# Altium PCB system.PcbDoc (continued)
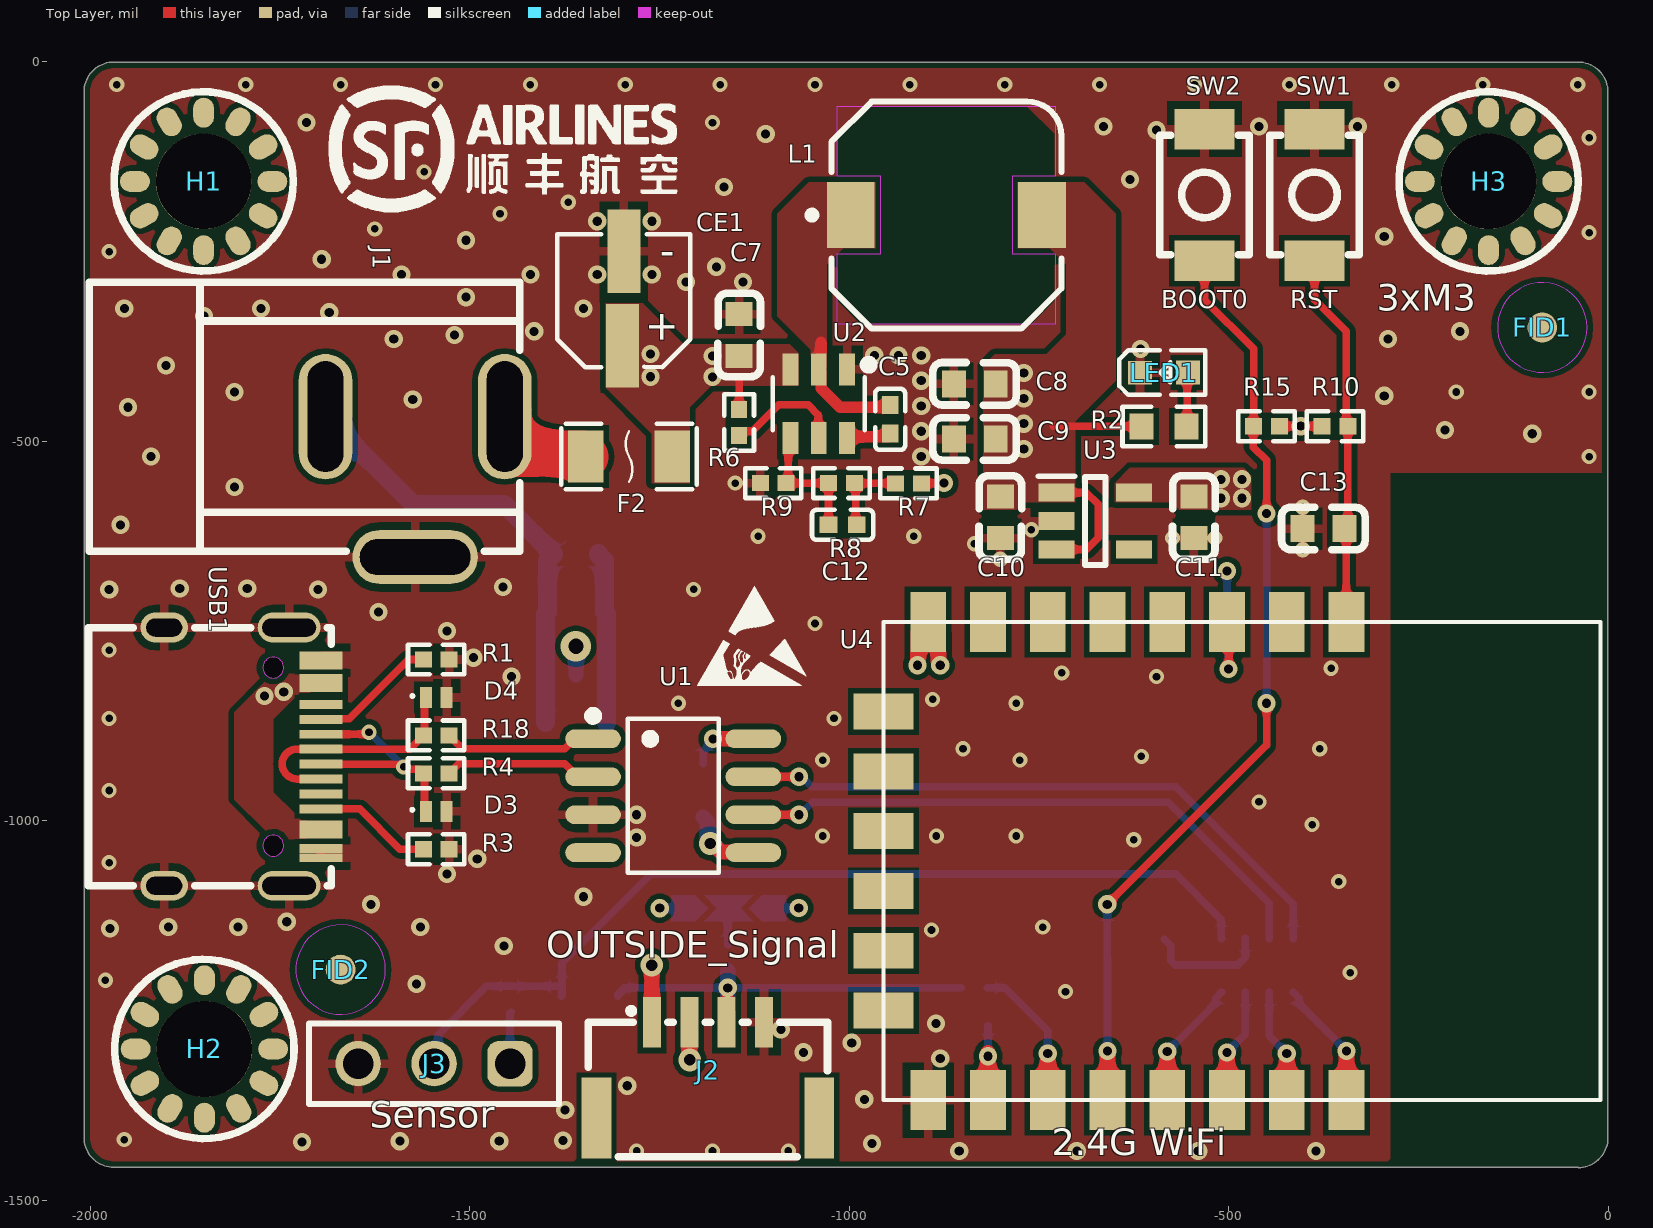
[diagram p0: Top Layer view]
## Components (designator, comment, footprint, x,y, rotation, side; value= is the part's Value field where it differs from the comment)
C1 "100nF ±5%_X7R" C0603 -1220,-925 r0 bottom
C2 "100nF ±5%_X7R" C0603 -1220,-995 r0 bottom
C3 "100nF ±5%_X7R" C0603 -1219.56,-359.9 r270 bottom
C4 "10uF ±5%_X7R" C0603 -1296.83,-359.9 r270 bottom
C5 "100nF ±5%_X7R" C0402 -945.95,-452.26 r270 top
C6 "10uF ±5%_X7R" C0603 -1142.28,-359.9 r270 bottom
C7 "100nF ±5%_X7R" C0603 -1145,-360 r270 top
C8 "22uF ±5%_X7R" C0603 -834.39,-424.3 r0 top
C9 "22uF ±5%_X7R" C0603 -834.39,-496.9 r0 top
C10 "10uF ±5%_X7R" C0603 -800.75,-600 r90 top
C11 "10uF ±5%_X7R" C0603 -545.75,-600 r90 top
C12 "75pF ±5%_X7R" C0402 -1027.4,-610 r0 top
C13 "100nF ±5%_X7R" C0603 -375,-615 r0 top
C14 "10uF ±5%_X7R" C0603 -845,-820 r90 bottom
C15 "100nF ±5%_X7R" C0603 -945,-820 r90 bottom
CE1 "100uF / 16V" CAP-SMD -1296.83,-314.9 r90 top
D1 "SMAJ6.0A" SMA_L4.4-W2.6-LS5.0-RD -1885,-910 r90 bottom
D2 "SMAJ5.0CA-13-F" SMA_L4.4-W2.6-LS5.0-BI -787.2,-520.4 r90 bottom
D3 "PESD5V0F1BL,315" PESD5V0S1BL315 -1544.04,-987.42 r0 top
D4 "PESD5V0F1BL,315" PESD5V0S1BL315 -1544.04,-837.42 r0 top
F1 "BSMD0805-050-6V" F0805 -1765,-920 r270 bottom
F2 "16V/1A" F1206 -1290,-520 r0 top
FID1 "MARK Point" FIDUCIAL -86.83,-349.9 r90 top
FID2 "MARK Point" FIDUCIAL -1670,-1196 r90 top
H1 "M3" M3_PTH -1850.52,-157.48 r0 top
H2 "M3" M3_PTH -1849.52,-1300.52 r0 top
H3 "M3" M3_PTH -157.48,-157.48 r0 top
J1 "DC-005-2.5A" CONN-TH_DC-005-2.5A-2.0 -1571.83,-559.9 r0 top
J2 "GH1.25-4P" GH1.25-4P -1187.2,-1340.4 r0 top
J3 "61300311821" 61300311821 -1546.83,-1319.9 r180 top
L1 "10uH, 2.6A" WE-PD_7345P -871.83,-201.9 r90 top
LED1 "LED" LED0603-RD -585.28,-409.51 r0 top
Q1 "SSM3J328R-LF" SOT-23-3_L2.9-W1.4-P1.91-LS2.6-BR -1360,-918 r90 bottom
Q2 "SSM3J328R-LF" SOT-23-3_L2.9-W1.4-P1.91-LS2.6-BR -1360,-763 r90 bottom
R1 "5.1kΩ ±1% 100mW" R0402 -1544.04,-787.42 r180 top
R2 "4.7kΩ ±1% 100mW" R0603 -585.29,-480.26 r0 top
R3 "5.1kΩ ±1% 100mW" R0402 -1544.04,-1037.42 r0 top
R4 "22Ω ±1% 62.5mW" R0402 -1544.04,-937.42 r0 top
R5 "10kΩ ±1% 100mW" R0603 -1360,-648 r0 bottom
R6 "NC" R0402 -1145,-475 r90 top
R7 "49.9Ω ±1% 100mW" R0402 -921.86,-555.4 r0 top
R8 "100kΩ ±1% 100mW" R0402 -1010,-555 r0 top
R9 "13.3kΩ ±1% 100mW" R0402 -1100,-555 r0 top
R10 "10kΩ ±1% 100mW" R0402 -360,-480 r180 top
R11 "10kΩ ±1% 100mW" R0402 -502.13,-738 r270 bottom
R12 "22Ω ±1% 100mW" R0402 -835,-1220 r180 bottom
R13 "10kΩ ±1% 100mW" R0402 -835,-1270 r180 bottom
R14 "10kΩ ±1% 100mW" R0402 -1447.06,-1234.61 r270 bottom
R15 "10kΩ ±1% 100mW" R0402 -450,-480 r0 top
R16 "NC" R0402 -1160,-1180 r90 bottom
R17 "NC" R0402 -1160,-1265.4 r90 bottom
R18 "22Ω ±1% 62.5mW" R0402 -1544.04,-887.42 r0 top
RP1 "22Ω ±1% 100mW" RES-ARRAY-SMD_0603-8P-L3.2-W1.6-BL -462.2,-1190.4 r0 bottom value=30Ω
SB1 "SHORT_3" SHORT_3_180DEG -1129.14,-1115.23 r180 bottom
SW1 "TS-1185-B-A-B-A" SW-SMD_L4.0-W3.0-LS5.0 -386.83,-175.28 r270 top
SW2 "TS-1185-B-A-B-A" SW-SMD_L4.0-W3.0-LS5.0 -531.83,-175.28 r270 top
TVS2 "TPPESD5V2S2UT" SOT-23-3_L2.9-W1.3-P1.90-LS2.4-BR -1342.2,-1270.4 r90 bottom
TVS3 "TPPESD5V2S2UT" SOT-23-3_L2.9-W1.3-P1.90-LS2.4-BR -622.2,-1195.4 r90 bottom
U1 "CH340N" SOP-8_L4.9-W3.9-P1.27-LS6.0-BL -1231.83,-966.9 r270 top
U2 "TPS54302DDCR" SOT-23-6_L2.9-W1.6-P0.95-LS2.8-BL -1040.05,-450.3 r180 top
U3 "ME6211C33M5G" SOT95P282X145-5N -675.75,-605 r0 top
U4 "ESP-12E&F" ESP-12E -954.88,-738 r270 top
USB1 "USB-C 16P" USB-C-16P -1802.2,-915.4 r270 top

## Footprints (in the part's own frame and the unit in brackets; to place one, negate y for a bottom-side part, rotate by r counter-clockwise, add the part's x,y. Pads: shape width x height; smd on the part's side, far side on the other; paste and mask are expansions set on the pad)
61300311821 [mm] "Socket Header, Pitch 2.54 mm, THT, Vertical, single row, 3p"
  rrect50% 1.52x1.52 hole 1.02: 1(-2.54,0)
  round 1.52 hole 1.02: 2(0,0) 3(2.54,0)
  silkscreen extent -4.19,-1.35 4.19,1.35, body extent -4.06,-1.25 4.06,1.25, height 8.55
C0402 [mm]
  rect 0.6x0.55 smd paste-100 mask+0.051: 1(0,0) 2(0.95,0)
  silkscreen extent -0.55,-0.5 1.5,0.5, body extent -0.02,-0.25 0.98,0.25, height 0.5
C0603 [mm]
  rect 0.8x0.9 smd mask+0.051: 1(-0.7,0) 2(0.7,0)
  silkscreen extent -1.41,-0.71 1.39,0.72, body extent -0.8,-0.4 0.8,0.4, height 0.8
CAP-SMD [mm] "BD4.0-L4.3-W4.3-FD-LS5.3"
  rect 2.8x1.1 smd mask+0.051: 1(-1.499,0.051) 2(1.661,0)
  silkscreen extent -2.22,-2.23 2.24,2.23, body extent -2.65,-2.16 2.65,2.14, height 5.42
CONN-TH_DC-005-2.5A-2.0 [mm]
  oval 1.8x4.2 hole 1.2 slot 3.7 at 90 deg: 1(3,2.35) 2(-3,2.35)
  oval 4.2x1.8 hole 1.2 slot 3.7 at 0 deg: 3(0,-2.35)
  silkscreen extent -10.9,-2.15 3.5,6.85, body extent -10.67,-2.49 3.38,6.81, height 11
ESP-12E [mm]
  rect 2x1.2 smd: 1(0,15.5) 2(0,13.5) 3(0,11.5) 4(0,9.5) 5(0,7.5) 6(0,5.5) 7(0,3.5) 8(0,1.5) 15(16,1.5) 16(16,3.5) 17(16,5.5) 18(16,7.5) 19(16,9.5) 20(16,11.5) 21(16,13.5) 22(16,15.5)
  rect 1.2x2 smd: 9(3,0) 10(5,0) 11(7,0) 12(9,0) 13(11,0) 14(13,0)
  silkscreen extent 0,0 16,24, body extent 0,0 16,24, height 3.17
F0805 [mm]
  rect 1.335x1.5 smd paste-100 mask+0.051: 1(-1.142,0) 2(1.142,0)
  silkscreen extent -2.16,-1.02 2.16,1.02, body extent -1.05,-0.71 1.05,0.69, height 0.8
F1206 [mm]
  rect 1.19x1.728 smd: 1(-1.445,0) 2(1.445,0)
  silkscreen extent -2.27,-1.09 2.27,1.09, body extent -1.6,-0.84 1.6,0.86, height 0.6
FIDUCIAL [mm] "1mm fiducial with 3mm keepout"
  round 1 smd far side paste-1 mask+0.5: 0(0,0)
  round 1 smd paste-1 mask+0.5: S(0,0)
  Keep-Out Layer circle w0.025: c0,0 r1.5
GH1.25-4P [mm]
  rect 0.6x1.7 smd mask+0.05: 1(-1.845,1.905) 2(-0.595,1.905) 3(0.655,1.905) 4(1.905,1.905)
  rect 1x2.7 smd mask+0.05: 5(-3.695,-1.296) 6(3.755,-1.296)
  silkscreen extent -3.97,-2.59 4.03,2.39, body extent -4.13,-2.67 4.13,2.19, height 4.26
LED0603-RD [mm]
  rect 0.8x0.8 smd paste+0 mask+0.051: 1(0.799,0.003) 2(-0.799,-0.003)
  silkscreen extent -1.49,-0.75 1.39,0.76
M3_PTH [mm] "Hole with copper"
  oval 1x0.7 smd mask+0.102: 1(-2.3,0) 1(2.3,0)
  oval 1x0.7 smd far side mask+0.102: 1(-2.3,0) 1(2.3,0)
  oval 0.7x1 smd rot 120 mask+0.102: 1(-1.992,-1.15) 1(1.992,1.15)
  oval 0.7x1 smd far side rot 120 mask+0.102: 1(-1.992,-1.15) 1(1.992,1.15)
  oval 0.7x1 smd rot 60 mask+0.102: 1(-1.992,1.15) 1(1.992,-1.15)
  oval 0.7x1 smd far side rot 60 mask+0.102: 1(-1.992,1.15) 1(1.992,-1.15)
  oval 0.7x1 smd rot 150 mask+0.102: 1(-1.15,-1.992) 1(1.15,1.992)
  oval 0.7x1 smd far side rot 150 mask+0.102: 1(-1.15,-1.992) 1(1.15,1.992)
  oval 0.7x1 smd rot 30 mask+0.102: 1(-1.15,1.992) 1(1.15,-1.992)
  oval 0.7x1 smd far side rot 30 mask+0.102: 1(-1.15,1.992) 1(1.15,-1.992)
  oval 0.7x1 smd mask+0.102: 1(0,-2.3) 1(0,2.3)
  oval 0.7x1 smd far side mask+0.102: 1(0,-2.3) 1(0,2.3)
  round 3.2 hole 3.2 mask+0.102: 1(0,0)
  silkscreen extent -3,-3 3,3
PESD5V0S1BL315 [mm]
  rect 0.4x0.7 smd: 1(-0.35,0) 2(0.35,0)
  silkscreen extent -0.85,0 -0.75,0.1, body extent -0.5,-0.3 0.5,0.3, height 0.47
R0402 [mm]
  rect 0.566x0.54 smd mask+0.051: 1(-0.433,0) 2(0.433,0)
  silkscreen extent -0.94,-0.5 0.94,0.5, body extent -0.5,-0.25 0.5,0.25, height 0.5
R0603 [mil]
  rect 31.75x34.02 smd mask+2: 1(-29.66,0) 2(29.66,0)
  silkscreen extent -55,-26 55,26, body extent -33,-16 31,16, height 18
RES-ARRAY-SMD_0603-8P-L3.2-W1.6-BL [mm]
  rect 0.65x0.8 smd: 1(-1.2,-0.9) 4(1.2,-0.9) 5(1.2,0.9) 8(-1.2,0.9)
  rect 0.5x0.8 smd: 2(-0.4,-0.9) 3(0.4,-0.9) 6(0.4,0.9) 7(-0.4,0.9)
  silkscreen extent -1.87,-1.45 1.87,1.47, body extent -1.6,-0.81 1.6,0.79, height 0.5
SHORT_3_180DEG [mil]
  round 1 smd mask+4: 1(-21.5,0) 2(80.82,0) 3(29.5,0)
  Top Layer region: 14,0 -3,17 62,17 45,0 62,-17 -3,-17
  Top Layer region: 73.32,17 56.32,0 73.32,-17 105.32,-17 105.32,17
  Top Layer region: -14,-17 3,0 -14,17 -46,17 -46,-17
  silkscreen extent -55,-26 114,26
SMA_L4.4-W2.6-LS5.0-BI [mm]
  rect 2x1.8 smd: 1(-2,0) 2(2,0)
  silkscreen extent -2.3,-1.4 2.3,1.4, body extent -2.6,-1.27 2.6,1.23, height 2.1
SMA_L4.4-W2.6-LS5.0-RD [mm]
  rect 1.8x1.7 smd paste+0 mask+0.051: 1(-2.192,0) 2(2.192,0)
  silkscreen extent -3.11,-1.48 2.73,1.48, body extent -2.6,-1.24 2.6,1.26, height 2.1
SOP-8_L4.9-W3.9-P1.27-LS6.0-BL [mm]
  oval 0.63x1.865 smd: 1(-1.905,-2.682) 2(-0.635,-2.682) 3(0.635,-2.682) 4(1.905,-2.682) 5(1.905,2.682) 6(0.635,2.682) 7(-0.635,2.682) 8(-1.905,2.682)
  silkscreen extent -2.82,-2.83 2.58,1.52, body extent -2.44,-3 2.46,3, height 1.5
SOT95P282X145-5N [mm]
  rect 1.2x0.6 smd: 1(-1.3,0.95) 2(-1.3,0) 3(-1.3,-0.95) 4(1.3,-0.95) 5(1.3,0.95)
  silkscreen extent -1.9,-1.47 0.35,1.5, body extent -1.41,-1.47 1.41,1.47, height 1.45
SOT-23-3_L2.9-W1.3-P1.90-LS2.4-BR [mm]
  rect 1.25x0.7 smd: 1(1,-0.95) 2(1,0.95) 3(-1,0)
  silkscreen extent -0.73,-1.53 0.73,1.53, body extent -1.18,-1.45 1.32,1.45, height 1.05
SOT-23-3_L2.9-W1.4-P1.91-LS2.6-BR [mm]
  rect 1.07x0.532 smd: 1(1.135,-0.955) 2(1.135,0.955) 3(-1.135,0)
  silkscreen extent -0.88,-1.54 0.88,1.54, body extent -1.22,-1.45 1.28,1.45, height 1.05
SOT-23-6_L2.9-W1.6-P0.95-LS2.8-BL [mil]
  rect 20.95x42.2 smd: 1(-37.4,-45.24) 2(0,-45.24) 3(37.4,-45.24) 4(37.4,45.24) 5(0,45.24) 6(-37.4,45.24)
  silkscreen extent -72,-57 61,35, body extent -56,-55 57,55, height 64
SW-SMD_L4.0-W3.0-LS5.0 [mm]
  rect 1.35x2 smd: 1(-2.2,0) 2(2.2,0)
  silkscreen extent -2,-1.5 2,1.5, body extent -2.51,-1.5 2.49,1.5, height 2
USB-C-16P [mm]
  oval 1.001x2.101 hole 0.599 slot 1.801 at 90 deg paste-2539.97 mask+0.051: 0(-4.321,1.633) 0(4.321,1.633)
  oval 1.001x1.6 hole 0.599 slot 1.199 at 90 deg paste-2539.97 mask+0.051: 0(-4.321,-2.548) 0(4.321,-2.548)
  rect 0.3x1.45 smd: A1(-3.071,2.7) A4(-2.309,2.7) A5(-1.25,2.7) A6(-0.25,2.7) A7(0.25,2.7) A8(1.25,2.7) A9(2.291,2.7) A12(3.079,2.7) B1(3.384,2.7) B4(2.596,2.7) B5(1.75,2.7) B6(0.75,2.7) B7(-0.75,2.7) B8(-1.75,2.7) B9(-2.614,2.7) B12(-3.376,2.7)
  Keep-Out Layer board cut-out: 3.33,1.102 3.295,1.254 3.198,1.376 3.057,1.444 2.901,1.444 2.761,1.376 2.664,1.254 2.629,1.102 2.629,1.102 2.664,0.95 2.761,0.828 2.901,0.761 3.057,0.761 3.198,0.828 3.295,0.95 3.33,1.102
  Keep-Out Layer board cut-out: -2.629,1.102 -2.664,1.254 -2.761,1.376 -2.901,1.444 -3.057,1.444 -3.198,1.376 -3.295,1.254 -3.33,1.102 -3.33,1.102 -3.295,0.95 -3.198,0.828 -3.057,0.761 -2.901,0.761 -2.761,0.828 -2.664,0.95 -2.629,1.102
  silkscreen extent -4.32,-5.08 4.32,3.05, body extent -4.49,-5.02 4.45,2.73, height 3.29
WE-PD_7345P [mm] "SMT Shielded Power Inductor, 2-leads, body 7.3x7.4mm"
  rect 2.2x1.6 smd: 1(0,3.2) 2(0,-3.2)
  Top Layer keep-out region: 3.65,-3.65 1.3,-3.65 1.3,-2.2 -1.3,-2.2 -1.3,-3.65 -3.65,-3.65 -3.65,3.65 -1.3,3.65 -1.3,2.2 1.3,2.2 1.3,3.65 3.65,3.65
  silkscreen extent -3.8,-3.85 3.8,4.62, body extent -3.65,-3.65 3.65,3.65, height 4.22

## Part data
C1 C2 C3 C4 C5 C6 C7 C8 C9 C10 C11 C12 C13 C14 C15: library part Cap, "Capacitor", LatestRevisionDate=17-Jul-2002, LatestRevisionNote="Re-released for DXP Platform.", PackageDescription="Radial Cap, Thru-Hole; 2 Leads; 0.3 in Pin Spacing", PackageReference=RAD-0.3, Published=8-Jun-2000, Publisher="Altium Limited"
CE1: library part "Cap Pol", "Polarized Capacitor (Axial)", LatestRevisionDate=17-Jul-2002, LatestRevisionNote="Re-released for DXP Platform.", PackageDescription="Polarized Capacitor; 2 Leads", PackageReference=POLAR0.8, Published=8-Jun-2000, Publisher="Altium Limited"
D1: library part SMAJ6.0A_C152112, Breakdown Voltage=6.67V, JLCPCB Part Class="Extended Part", LCSC Part Name="单向 Vrwm:6V", Manufacturer=BORN(伯恩半导体), Maximum Clamping Voltage=10.3V, Peak Pulse Current (Ipp)@10/1000μs=38.8A, Reverse Stand-Off Voltage (Vrwm)=6V, Add into BOM=yes, Convert to PCB=yes, Datasheet=https://atta.szlcsc.com/upload/public/pdf/source/20180207/C152112_15179949389561359152.pdf, Device=SMAJ6.0A_C152112, Manufacturer Part=SMAJ6.0A, Name=SMAJ6.0A, Polarity=单向, Supplier=LCSC, Supplier Footprint=SMA(DO-214AC), Supplier Part=C152112, Symbol=SMAJ6.0A_C152112
D2: library part SMAJ5.0CA, Breakdown Voltage (Max)=7.25V, Breakdown Voltage (Min)=6.4V, JLCPCB Part Class="Extended Part", LCSC Part Name="双向 Vrwm:5V 400W", Manufacturer=DIODES(美台), Maximum Clamping Voltage=9.2V, Peak Pulse Current (Ipp)@10/1000μs=-, Peak Pulse Power Dissipation (Ppp)@10/1000μs=400W, Reverse Leakage Current (Ir)=800uA, Reverse Stand-Off Voltage (Vrwm)=5V, Add into BOM=yes, Convert to PCB=yes, Datasheet=https://atta.szlcsc.com/upload/public/pdf/source/20180308/C134993_15204896803081413896.pdf, Device=SMAJ5.0CA-13-F, Manufacturer Part=SMAJ5.0CA-13-F, Name=SMAJ5.0CA-13-F, Polarity=双向, Supplier=LCSC, Supplier Footprint=SMA(DO-214AC), Supplier Part=C134993, Symbol=SMAJ5.0CA-13-F
D3 D4: "Diode ESD (Bi-directional)", Manufacturer_Name=Nexperia, Mouser Part Number=771-PESD5V0F1BL315, Arrow Part Number=PESD5V0F1BL,315, Arrow Price/Stock=https://www.arrow.com/en/products/pesd5v0f1bl315/nexperia?region=nac, Datasheet Link=https://assets.nexperia.com/documents/data-sheet/PESD5V0F1BL.pdf, Height=0mm, Manufacturer_Part_Number=PESD5V0F1BL,315, Mouser Price/Stock=https://www.mouser.co.uk/ProductDetail/Nexperia/PESD5V0F1BL315?qs=GcY6OjH1zdnPNi4NEDIXZQ%3D%3D
F1: Current Rating (Max)=40A, Hold Current=500mA, JLCPCB Part Class="Extended Part", LCSC Part Name="6V 500mA 0805自恢复", Manufacturer=BHFUSE(佰宏), Operating Temperature=-40℃~+85℃, Operating Voltage (Max)=6V, Power Dissipation=500mW, Resistance - Initial (Ri) (Min)=100mΩ, Resistance - Post Trip (R1) (Max)=850mΩ, Trip Current=1A, Add into BOM=yes, Convert to PCB=yes, Datasheet=https://atta.szlcsc.com/upload/public/pdf/source/20220223/3FD8E8A8A3681642EAEF465E16495357.pdf, Device=BSMD0805-050-6V, Manufacturer Part=BSMD0805-050-6V, Maximum Time to Trip=100ms, Name=BSMD0805-050-6V, Supplier=LCSC, Supplier Footprint=0805, Supplier Part=C883108, Symbol=BSMD0805-050-6V
F2: library part FUSE, Current Rating (Max)=40A, Hold Current=500mA, JLCPCB Part Class="Extended Part", LCSC Part Name="6V 500mA 0805自恢复", Manufacturer=BHFUSE(佰宏), Manufacturer Part=BSMD0805-050-6V, Operating Temperature=-40℃~+85℃, Operating Voltage (Max)=6V, Power Dissipation=500mW, Resistance - Initial (Ri) (Min)=100mΩ, Resistance - Post Trip (R1) (Max)=850mΩ, Trip Current=1A, Add into BOM=yes, Convert to PCB=yes, Datasheet=https://atta.szlcsc.com/upload/public/pdf/source/20220223/3FD8E8A8A3681642EAEF465E16495357.pdf, Device=BSMD0805-050-6V, Maximum Time to Trip=100ms, Name=BSMD0805-050-6V, Supplier=LCSC, Supplier Footprint=0805, Supplier Part=C883108, Symbol=BSMD0805-050-6V
FID1 FID2: library part FIDUCIAL, "1mm Fiducial with 2mm soldermask, 3mm keepout"
H1 H2 H3: library part PTH, "Hole with copper"
J1: library part DC-005, Current Rating (Max)=2.5A, JLCPCB Part Class="Extended Part", LCSC Part Name="DC电源插座 内径:2.5mm 外径:6.2mm", Manufacturer="XKB Connectivity(中国星坤)", Manufacturer Part=DC-005-2.5A-2.5, Operating Temperature Range=-20℃~+70℃, Voltage Rating (Max)=24V, Welding Temperature (Max)=260℃, Add into BOM=yes, Connector Type=DC电源插座, Contact Material=黄铜, Convert to PCB=yes, Datasheet=https://atta.szlcsc.com/upload/public/pdf/source/20220901/6F9138B665EDB96A8FB5BCA403DC5722.pdf, Device=DC-005-2.5A-2.5, Inside Contact Diameter=2.5mm, Name=DC-005-2.5A-2.5, Outside Contact Diameter=6.2mm, Supplier=LCSC, Supplier Footprint=插件, Supplier Part=C319098, Symbol=DC-005-2.5A-2.5
J2: JLCPCB Part Class="Extended Part", LCSC Part Name=GH1.25-5P立贴编带加盖, Manufacturer=BOOMELE(博穆精密), Manufacturer Part=GH1.25-5PLTPZ, Add into BOM=yes, Convert to PCB=yes, Datasheet=https://atta.szlcsc.com/upload/public/pdf/source/20211125/08A09A4909F58AF780B71FE423A00F7E.pdf, Device=GH1.25-5PLTPZ, Name=GH1.25-5PLTPZ, Supplier=LCSC, Supplier Footprint=-, Supplier Part=C2829263, Symbol=GH1.25-5PLTPZ
J3: "WR-PHD Socket Header, THT, Vertical, pitch 2.54mm, 1 Row, 3P", Contact Resistance=20mΩ, Manufacturer="Wurth Elektronik", Operating Temperature Max=125°C, Operating Temperature Min=-40°C, Rated Current=3A, Withstanding Voltage=500V, Working Voltage=250V, Category="Board-to-Board Connectors", ComponentLink1Description="Website Link", ComponentLink1URL=https://www.we-online.com/redexpert/article/61300311821?ad, ComponentLink2Description="Datasheet Link", ComponentLink2URL=https://www.we-online.com/redexpert/spec/61300311821?ad, Gender="Socket Header", Manufacturer Part Number=61300311821, Match Code=WR-PHD, Mount="Through Hole", Number of Pins=3, Number of Rows=1, Orientation=Vertical, Packaging=Tray, Pitch=2.54mm
L1: library part 7447773100, "WE-PD SMT Power Inductor, size 7345P, 10uH, 2.6A, 45mOhm", Case/Size Code=7345P, DC Resistance=37.5mOhm, DC Resistance Max=45mOhm, Inductance=10uH, Manufacturer="Wurth Elektronik", Operating Temperature Max=150°C, Operating Temperature Min=-40°C, Rated Current=2.6A, Saturation Current=3.8A, Self Resonant Frequency=23MHz, Category="Power Inductors", ComponentLink1Description="Website Link", ComponentLink1URL=https://www.we-online.com/redexpert/article/7447773100?ad, ComponentLink2Description="Datasheet Link", ComponentLink2URL=https://www.we-online.com/redexpert/spec/7447773100?ad, Height=4.5mm, Length=7.3mm, Manufacturer Part Number=7447773100, Match Code=WE-PD, Mount="Surface Mount", Packaging="Tape and Reel", Type=Performance, Width=7.4mm
LED1: "发光颜色:", Emitted Color=红灯, JLCPCB Part Class="Extended Part", Manufacturer=EVERLIGHT(亿光), Manufacturer Part=17-21SURC/S530-A2/TR8, Add into BOM=yes, Convert to PCB=yes, Datasheet=https://atta.szlcsc.com/upload/public/pdf/source/20170918/C131244_1505726880590976254.pdf, Device=17-21SURC/S530-A2/TR8, LCSC Part Name=红灯, Name=17-21SURC/S530-A2/TR8, Supplier=LCSC, Supplier Footprint=0805, Supplier Part=C131244, Symbol=17-21SURC/S530-A2/TR8
Q1 Q2: library part MOSFET, LCSC Part Name=SSM3J328R-VB, Manufacturer=VBsemi(微碧), Add into BOM=yes, Convert to PCB=yes, Datasheet=https://atta.szlcsc.com/upload/public/pdf/source/20230809/B11CEF1749BD8B4A43E8BE92C63E6317.pdf, Device=SSM3J328R-VB, Manufacturer Part=SSM3J328R-VB, Name=SSM3J328R-VB, Supplier=LCSC, Supplier Footprint=SOT-23(TO-236), Supplier Part=C7494583, Symbol=SSM3J328R-VB
R1 R2 R3 R4 R5 R6 R7 R8 R9 R10 R11 R12 R13 R14 R15 R16 R17 R18: library part Res, "Resistor", LatestRevisionDate=17-Jul-2002, LatestRevisionNote="Re-released for DXP Platform.", PackageDescription="Axial Device, Thru-Hole; 2 Leads; 0.3 in Pin Spacing", PackageReference=AXIAL-0.3, Published=8-Jun-2000, Publisher="Altium Limited"
RP1: library part RP, JLCPCB Part Class="Extended Part", LCSC Part Name="30Ω ±5% 0402x4", Manufacturer=YAGEO(国巨), Manufacturer Part=YC124-JR-0730RL, Number of Resistors=4, Power(Watts)=62.5mW, Temperature Coefficient=±200ppm/℃, Tolerance=±5%, Add into BOM=yes, Convert to PCB=yes, Datasheet=https://atta.szlcsc.com/upload/public/pdf/source/20171116/C136847_15108221195481123713.pdf, Device=YC124-JR-0730RL, Name=30Ω, Number of Pins=8, Supplier=LCSC, Supplier Footprint=0402x4, Supplier Part=C136847, Symbol=YC124-JR-0730RL
SW1 SW2: library part Button, "触点电流：50mA 额定电压(DC)：12V 电路结构：单刀单掷 安装方式：立贴 带灯：无 作用力：160gf 机械寿命：10万次 带支架：否 轻触开关3x4x2贴片2脚小龟 160gf", Actuator/Cap Color=黑色, Contact Current=50mA, Insulation Resistance=-, JLCPCB Part Class="Extended Part", LCSC Part Name="4*3*2mm 立贴 轻触开关", Manufacturer="XKB Connectivity(中国星坤)", Operating Force=160gf, Operating Temperature=-30℃~+85℃, Voltage Rating (DC)=12V, Actuator Style=圆形按钮, Add into BOM=yes, Circuit=单刀单掷, Convert to PCB=yes, Datasheet=https://atta.szlcsc.com/upload/public/pdf/source/20211011/C2F26DC0AE1820400F54DBF49644F5A1.pdf, Device=TS-1185-B-A-B-A, Manufacturer Part=TS-1185-B-A-B-A, Mechanical Life=10万次, Mounting Style=立贴, Name=TS-1185-B-A-B-A, Strike Gundam=否, Supplier=LCSC, Supplier Footprint=SMD, Supplier Part=C561517, Switch Height=2mm, Switch Length=4mm, Switch Width=3mm, Symbol=TS-1185-B-A-B-A, With Lamp=无
TVS2 TVS3: library part TVS, JLCPCB Part Class="Extended Part", Manufacturer="TECH PUBLIC(台舟)", Add into BOM=yes, Convert to PCB=yes, Datasheet=https://atta.szlcsc.com/upload/public/pdf/source/20210810/D18798CDF2FA9545B0B94BB525A81819.pdf, Device=TPPESD5V2S2UT, LCSC Part Name=TPPESD5V2S2UT, Manufacturer Part=TPPESD5V2S2UT, Name=TPPESD5V2S2UT, Supplier=LCSC, Supplier Footprint=SOT-23, Supplier Part=C558449, Symbol=TPPESD5V2S2UT
U1: JLCPCB Part Class="Extended Part", LCSC Part Name="USB转串口芯片 CH340", Manufacturer=WCH(南京沁恒), Add into BOM=yes, Convert to PCB=yes, Datasheet=https://atta.szlcsc.com/upload/public/pdf/source/20220223/82A45E4FF89B3EDCAD50B354450A7EF4.pdf, Device=CH340N, Manufacturer Part=CH340N, Name=CH340N, Supplier=LCSC, Supplier Footprint=SOP-8, Supplier Part=C2977777, Symbol=CH340N_C2977777
U2: Input Voltage=4.5V~28V, JLCPCB Part Class="Extended Part", LCSC Part Name="降压型 输入4.5V~28V 输出596mV~28V 3A", Manufacturer=TI(德州仪器), Operating Temperature=-40℃~+125℃@(TJ), Output Current (Max)=3A, Output Voltage=596mV~28V, Switching Frequency=400kHz, Add into BOM=yes, Convert to PCB=yes, Datasheet=https://atta.szlcsc.com/upload/public/pdf/source/20181023/C311983_0948EE70BFAD2011B492BD3F4CEA709D.pdf, Device=TPS54302DDCR, Function=降压型, Manufacturer Part=TPS54302DDCR, Name=TPS54302DDCR, Number of Outputs=1, Output Type=可调, Supplier=LCSC, Supplier Footprint=TSOT-23-6, Supplier Part=C311983, Symbol=TPS54302DDCR_C311983, Synchronous Rectification=是, Topology=降压式
U3: "Integrated Circuit", Manufacturer_Name=Microne, Height=1.45mm, Manufacturer_Part_Number=ME6211C33M5G
U4: "ESP-12E&F Onboard Module"

## Via types
v1: diameter 24, hole 12, Top Layer to Bottom Layer, tented top, 120 vias
v2: diameter 20, hole 10, Top Layer to Bottom Layer, 71 vias
v3: diameter 24, hole 12, Top Layer to Bottom Layer, 4 vias
v4: diameter 20, hole 10, Top Layer to Bottom Layer, tented top, 2 vias
v5: diameter 30, hole 15, Top Layer to Bottom Layer, tented top, 2 vias
v6: diameter 30, hole 15, Top Layer to Bottom Layer, 1 vias
v7: diameter 40, hole 20, Top Layer to Bottom Layer, tented top, 1 vias

## Nets (pads, with @x,y where several pads share a name; then routed paths per layer and width w, separated by ;. In a path a pad name is that pad's centre, name@x,y a point inside that pad or via, vN(x,y) a via of type N, cw(c..) or ccw(c..) an arc to the next point about the centre after c; other vN are vias at no path point)
GND: C1.1 C2.1 C3.1 C4.1 C6.1 C7.1 C8.1 C9.1 C10.1 C11.1 C13.1 C14.1 C15.1 CE1.2 D1.2 D2.1 D3.2 D4.2 J1.3 J2.4 J3.3 LED1.2 R1.1 R3.2 R9.1 R13.2 R17.1 SW1.1 SW2.1 TVS2.3 TVS3.3 U1.3 U2.1 U3.2 U4.15 USB1.0 USB1.A1 USB1.A12 USB1.B1 USB1.B12 | length 124
  Top Layer w10: USB1.B1 USB1.A12 ; USB1.A1 USB1.B12
  Power w10: v1(-905,-520) v1(-905,-486.67) v1(-905,-453.33) v1(-905,-420)
  other v1: -855,-1435 -700,-1435 -540,-1435 -385,-1435 -970,-1425 -1721,-1423 -1592,-1422 -1461,-1422 -1377,-1421 -1374.2,-1380.92 -980,-1366.88 -1292.43,-1348.99 -880,-1313 -1060,-1305 -996.62,-1292.43 -1090,-1275 -885.76,-1266.89 -1570,-1215 -1455,-1165 -1974,-1142 -1897,-1140 -1805,-1140 -1565,-1140 -1741,-1133 -1630,-1110 -1350,-1100 -1530,-1070 -1490,-1050 -1280,-1022 -1280,-992 -1445,-810 -1495,-785 -1530,-750 -1620,-725 -1975,-695 -1700,-695 -1882,-694 -1793,-694 -1456,-692 -1960,-610 -1810,-560 -1920,-520 -100,-490 -215,-485 -1950,-455 -1575,-445 -295,-440 -1810,-435 -1900,-400 -966.83,-386.9 -935.17,-386.9 -905,-386.9 -1600,-365 -290,-365 -1520,-360 -1415,-355 -195,-355 -1850,-335 -1685,-330 -1955,-325 -1775,-325 -1350,-325 -1505,-310 -1215,-290 -1140,-290 -1590,-280 -1420,-280 -1331.83,-280 -1260,-280 -1175,-270 -1695,-260 -1505,-235 -295,-230 -1331.83,-210 -1260,-210 -1165,-165 -630,-155 -1110,-95 -595,-90 -665,-85 -460,-85 -330,-85 -1715,-80
  other v2: -1280,-1435 -1180,-1435 -1080,-1435 -1955,-1420 -715,-1225 -1980,-1210 -340,-1200 -891.51,-1143.83 -745,-1140 -355,-1080 -1975,-1055 -625,-1025 -1035,-1020 -885,-1020 -780,-1020 -390,-1005 -460,-975 -1975,-960 -1035,-920 -775,-920 -615,-915 -850,-905 -380,-905 -1975,-865 -1020,-865 -1225,-845 -780,-845 -890,-840 -595,-810 -720,-805 -364.95,-798.99 -1975,-775 -1045,-740 -1205,-695 -800.97,-655.33 -402.39,-642.72 -835,-635 -573.91,-627.39 -518.03,-627.39 -1120,-625 -915,-625 -759.84,-616.35 -402.39,-586.83 -1150,-555 -25,-520 -200,-435 -25,-435 -1975,-250 -25,-225 -1625,-220 -1460,-200 -1370,-185 -1560,-145 -25,-100 -1180,-80 -1965,-30 -1795,-30 -1670,-30 -1545,-30 -1420,-30 -1295,-30 -1170,-30 -1045,-30 -920,-30 -795,-30 -670,-30 -545,-30 -420,-30 -285,-30 -165,-30 -40,-30
  other v3: -616.27,-378.37
GPIO0: R15.1 SW2.2 TVS3.1 U4.18 | length 1227.3
  Top Layer w10: v1(-660,-1110) -450,-900 v1(-450,-845) ; SW2.2 -531.83,-313.17 -467.04,-377.96 R15.1 ; R15.1@-467.55,-480 -467.55,-507.45 -450,-525 v1(-450,-595)
  Top Layer w20: U4.18 v1(-659.61,-1303.39)
  Bottom Layer w10: v1(-660,-1110) -659.8,-1110.2 -659.8,-1180.83 -659.6,-1181.03 v1(-659.61,-1303.39) ; v1(-450,-845) v1(-450,-595)
NetC1_2: C1.2 U1.8 | length 91.7
  Top Layer w20: v1(-1179.38,-891.91) U1.8
  Bottom Layer w10: C1.2 -1192.44,-908.76 -1179.38,-895.7 v1(-1179.38,-891.91)
NetC5_1: C5.1 L1.1 U2.2 | length 166
  Top Layer w15: -1037.07,-369.05 -1037.07,-402.09 U2.2 -1037.07,-408.03 -1037.07,-430.03 -1012.11,-455 -948.69,-455 C5.1
NetC5_2: C5.2 U2.6 | length 59.7
  Top Layer w15: U2.6 -1001.24,-495.54 -999.67,-493.97 -949.27,-493.97 -945.95,-490.64 C5.2
NetC12_1: C12.1 R8.1 R9.2 U2.4 | length 172.7
  Top Layer w10: U2.4 -1080.2,-498.3 -1080.2,-552.24 R9.2 R8.1@-1027.13,-555 ; C12.1 -1027.22,-609.82 -1027.22,-555.18 R8.1
NetC12_2: C12.2 R7.1 R8.2 | length 110.4
  Top Layer w10: C12.2 -991.48,-608.52 -991.48,-556.48 R8.2 -992.59,-555 -992.39,-555.2 -941.71,-555.2 -941.51,-555.4 R7.1
NetF2_1: F2.1 J1.1 | length 154.6
  Top Layer w60: J1.1 -1453.73,-511.67 -1449.42,-515.98 -1350.91,-515.98 F2.1
NetJ1_2: J1.2 Q1.1 Q2.1 R5.1 | length 603
  Bottom Layer w25: J1.2 -1574.31,-583 -1454.66,-583 R5.1 -1389.66,-649.13 -1397.6,-657.07 -1397.6,-724.85 -1400.27,-727.52 Q1.1@-1400.27,-853.92 ; Q1.1@-1400.27,-870.65 Q1.1@-1400.27,-853.92 ; Q1.1@-1399.63,-854.56 Q1.1@-1400.27,-853.92
NetLED1_1: LED1.1 R2.2 | length 71.6
  Top Layer w10: R2.2 -554.72,-479.34 -554.72,-410.29 LED1.1
NetQ1_2: Q1.2 Q2.2 R5.2 | length 227.7
  Bottom Layer w25: R5.2 -1330.34,-649.13 -1322.4,-657.07 -1322.4,-724.85 -1320.02,-727.23 Q1.2@-1320.02,-854.21 ; Q1.2@-1320.37,-854.56 Q1.2@-1320.02,-854.21 ; Q1.2@-1320.02,-870.94 Q1.2@-1320.02,-854.21
NetR1_2: R1.2 USB1.A5 | length 167.4
  Top Layer w10: USB1.A5 -1695.03,-865.31 -1658.88,-865.31 -1580.99,-787.42 R1.2
NetR3_1: R3.1 USB1.B5 | length 156.8
  Top Layer w10: USB1.B5 -1645,-984.3 -1591.87,-1037.42 R3.1
NetR6_1: R6.1 U2.5 | length 157
  Top Layer w10: R6.1 -1139.65,-486.69 -1127.37,-486.69 -1092.58,-451.9 -1054.01,-451.9 -1040.62,-465.3 -1040.62,-494.97 U2.5
NetR11_2: R11.2 U4.3 | length 108.7
  Top Layer w10: U4.3 -500,-740.13 v3(-500,-800)
  Bottom Layer w10: R11.2 -501.06,-756.1 -501.06,-798.94 v3(-500,-800)
NetR12_1: R12.1 U4.17 | length 194.3
  Top Layer w20: U4.17 v1(-738.35,-1306.35)
  Bottom Layer w10: R12.1 -795,-1220 -738.35,-1276.65 v1(-738.35,-1306.35)
NetR13_1: R13.1 U4.16 | length 102.9
  Top Layer w20: U4.16 v1(-817.09,-1310.09) v1@-817.09,-1305.09
  Bottom Layer w10: v1(-817.09,-1310.09) R13.1@-817.09,-1270
NetR16_2: R16.2 SB1.3 | length 48.3
  Bottom Layer w10: R16.2 -1160,-1116.59 -1159.01,-1115.6
  Bottom Layer w20: -1159.01,-1115.6 SB1.3
NetRP1_5: RP1.5 U4.22 | length 170.9
  Top Layer w20: U4.22 v1(-344.65,-1303.35)
  Bottom Layer w10: RP1.5 -407.17,-1233.63 -407.17,-1240.83 v1@-344.84,-1303.16
NetRP1_6: RP1.6 U4.21 | length 151.6
  Top Layer w20: U4.21 v1(-423.39,-1306.39)
  Bottom Layer w10: RP1.6 -446.45,-1283.32 v1(-423.39,-1306.39)
NetRP1_7: RP1.7 U4.20 | length 152.1
  Top Layer w20: U4.20 v1(-502.13,-1305.13)
  Bottom Layer w10: v1(-502.13,-1305.13) -477.95,-1280.95 RP1.7
NetRP1_8: RP1.8 U4.19 | length 170.8
  Top Layer w20: U4.19 v1(-580.87,-1303.87)
  Bottom Layer w10: v1@-580.27,-1303.27 -517.24,-1240.24 -517.24,-1233.63 RP1.8
RST: C13.2 R10.1 SW1.2 U4.1 | length 495.3
  Top Layer w10: SW1.2 -386.83,-313.17 -345,-355 -345,-477.96 R10.1 -342.96,-612.96 -345,-615 -345,-737.65 U4.1
RXD: RP1.4 U1.7 | length 825.8
  Top Layer w10: U1.7 v1(-1066.1,-941.9)
  Bottom Layer w10: v1(-1066.1,-941.9) -1062.31,-941.9 -1049.21,-955 -570,-955 -414.96,-1110.04 RP1.4
Signal_IN1: J2.3 R12.2 R16.1 R17.2 TVS2.2 | length 570.6
  Top Layer w10: J2.3 -1160.71,-1264.69 -1160.71,-1220.71 v1(-1160,-1220)
  Bottom Layer w10: R12.2 v1(-1160,-1220) TVS2.2@-1296.03,-1220 ; TVS2.2@-1296.03,-1220 -1296.03,-1222.25 TVS2.2 -1304.8,-1228.78 TVS2.2@-1296.03,-1220
  Bottom Layer w20: R17.2 v1(-1160,-1220) R16.1
Signal_IN2: J3.2 R14.1 RP1.1 TVS2.1 | length 1244.3
  Bottom Layer w10: J3.2 -1541.6,-1314.67 -1541.6,-1281.6 -1477.96,-1217.96 R14.1@-1450,-1217.96 ; R14.1 -1449.61,-1217.57 R14.1@-1450,-1217.96 ; TVS2.1 -1378.38,-1229.81 TVS2.1@-1378.38,-1217.96 ; RP1.1 -509.92,-1154.49 -509.92,-1130.08 -570,-1070 -1260.87,-1070 -1378.38,-1187.51 TVS2.1@-1378.38,-1217.96 ; R14.1@-1450,-1217.96 TVS2.1@-1378.38,-1217.96
Signal_IN3: RP1.2 TVS3.2 | length 161.2
  Bottom Layer w10: TVS3.2 -576.03,-1164.81 -576.03,-1184.03 -570.17,-1189.89 -487.87,-1189.89 -477.95,-1179.97 RP1.2
TXD: RP1.3 U1.6 | length 790.2
  Top Layer w10: U1.6 v1@-1063.9,-991.9
  Bottom Layer w10: v1(-1066.1,-991.9) -1065.14,-991.9 -1048.84,-975.6 -579.4,-975.6 -446.45,-1108.55 RP1.3
USB_COM_N: R4.2 U1.2 | length 202
  Top Layer w10: R4.2 -1526.5,-937.42 -1520.87,-931.79 -1520.87,-931.29 -1514.58,-925 -1375.02,-925 -1358.12,-941.9 U1.2
USB_COM_P: R18.2 U1.1 | length 202.6
  Top Layer w10: R18.2 -1526.5,-887.42 -1520.87,-893.05 -1520.87,-893.56 -1509.43,-905 -1375.02,-905 -1361.91,-891.9 U1.1
USBD_N: D3.1 R4.1 USB1.A7 USB1.B7 | length 320.6
  Top Layer w10: USB1.A7 -1587,-925.24 -1587,-926.15 -1581.36,-931.79 -1566.71,-931.79 R4.1 -1559.45,-939.05 -1559.45,-985.79 D3.1 ; USB1.B7 -1637.9,-885.87 -1635.34,-883.32 v4(-1632.64,-883.32)
  Bottom Layer w10: v4(-1632.64,-883.32) v4(-1587,-928.86)
USBD_P: D4.1 R18.1 USB1.A6 USB1.B6 | length 318.6
  Top Layer w10: USB1.B6 -1727.07,-944.93 cw(c-1727.07,-925) -1747,-925 cw(c-1727.56,-925) -1727.56,-905.56 USB1.A6 -1579.22,-905.56 -1567.22,-893.56 -1567.22,-893.05 -1561.59,-887.42 R18.1 -1559.45,-885.79 -1559.45,-839.05 D4.1
VCC3V3_SYS: C2.2 C11.2 C14.2 C15.2 J2.2 J3.1 R10.2 R11.1 R14.2 R15.2 SB1.1 U1.5 U3.5 U4.8 | length 492.6
  Top Layer w10: R15.2 R10.2
  Top Layer w20: J2.2 -1210.32,-1265.72 -1210.32,-1314.68 v5(-1210,-1315) ; v5(-1182.91,-1029.77) -1180.2,-1029.77 -1168.99,-1040.98 -1127.14,-1040.98 U1.5 ; v1(-910,-795) -909.23,-794.23 -909.23,-751.41 U4.8 -882.2,-751.62 -882.2,-791.71 -880,-793.92 v1(-880,-795)
  Bottom Layer w10: J3.1 -1446.83,-1253.87 R14.2@-1445,-1252.04 ; SB1.1 -1066.73,-1115.23 v1(-1066.42,-1114.92) ; R11.1 v1(-502.13,-670.96)
  Bottom Layer w20: C2.2 -1186.69,-1000.75 -1186.69,-1023.28 -1182.91,-1027.06 v5(-1182.91,-1029.77)
  other v1: -510,-575 -482.5,-575 -510,-550 -482.5,-550
  other v3: -405,-480
VCC5V0_SYS: C8.2 C9.2 C10.2 D2.2 J2.1 L1.2 Q2.3 R2.1 R7.2 SB1.2 U3.1 U3.3 | length 465.5
  Top Layer w10: R7.2 -904.62,-555.2 -875.2,-555.2 v3(-875,-555) ; -730.82,-480.26 R2.1 ; U3.3 -687.16,-642.4 -671.83,-627.07 -671.83,-583.17 -687.4,-567.6 U3.1
  Top Layer w20: v6(-1260,-1190) -1259.92,-1190.08 -1259.92,-1265.32 J2.1
  Bottom Layer w10: v1(-1249.49,-1115.05) -1249.31,-1115.23 SB1.2
  Bottom Layer w20: Q2.3 v7(-1360,-770)
  other v1: -770,-510 -770,-476.67 -770,-443.33 -770,-410
VCC5V0_USB: D1.1 F1.2 Q1.3
VCCIN_SYS: C3.2 C4.2 C6.2 C7.2 CE1.1 F2.2 R6.2 U2.3 | length 44.5
  Top Layer w10: R6.2 -1145,-417.35 -1142.27,-414.62
  other v1: -1180,-415 -1261.83,-414.9 -1180,-387.69 -1261.83,-384.9
VUSB: F1.1 USB1.A4 USB1.A9 USB1.B4 USB1.B9
  other v1: -1770.32,-835.53 -1745,-830
pads on no net: FID1.0 FID1.S FID2.0 FID2.S H1.1 H2.1 H3.1 J2.5 J2.6 U1.4 U3.4 U4.2 U4.4 U4.5 U4.6 U4.7 U4.9 U4.10 U4.11 U4.12 U4.13 U4.14 USB1.A8 USB1.B8

## Polygon pours and split planes (outlines as drawn)
VCCIN_SYS on Top Layer "Top Layer-VCCIN_SYS" (solid, remove dead copper, pour order 38): -1181.9,-426.9 -1066.96,-426.9 -1066.96,-383.46 -1078.52,-371.9 -1218.1,-371.9 -1272.11,-317.89 -1321.09,-317.89 -1321.09,-428.91 -1260,-490 -1260,-555 -1210,-555 -1210,-455
VCC3V3_SYS on Top Layer "VCC3V3_SYS_L01_P037" (solid, remove dead copper, pour order 37): -650,-555 -650,-580 -575,-580 -565,-590 -470,-590 -470,-545 -480,-535 -630,-535
VCC5V0_SYS on Top Layer "Top Layer-VCC5V0_SYS" (solid, remove dead copper, pour order 29): -823.36,-590 -780,-590 -770,-580 -702.11,-580 -702.11,-473.6 -648.67,-420.16 -648.67,-200 -690.2,-158.47 -778.67,-158.47 -778.67,-245.42 -735.8,-245.42 -714.18,-267.04 -714.18,-359.18 -740,-385 -808.36,-385 -823.36,-400
NetC5_1 on Top Layer "Top Layer-NetC5_1" (solid, remove dead copper, pour order 26): -1007.87,-245.42 -965,-245.42 -965,-158.47 -1053.47,-158.47 -1095,-200 -1095,-335 -1050.57,-379.43 -1050.57,-386.28 -1029.49,-386.28 -1029.49,-267.04
GND on Top Layer "GND_L01_P040" (solid, remove dead copper, pour order 40): -2008.09,-1417.22 ccw(c-1968.72,-1417.22) -1968.72,-1456.59 -39.59,-1456.59 -39.59,-1456.9 ccw(c-39.59,-1417.53) -0.22,-1417.53 -0.22,-39.57 ccw(c-39.59,-39.58) -39.59,-0.2 -1968.72,-0.2 ccw(c-1968.72,-39.58) -2008.09,-39.57
VUSB on Top Layer "VUSB_L01_P017" (solid, remove dead copper, pour order 17): -1710,-831 -1724,-831 -1759,-866 -1759,-962 -1722,-999 -1715,-999 -1715,-1024 -1758,-1024 -1810,-972 -1810,-856.77 -1759.23,-806 -1710,-806
VCC3V3_SYS on Bottom Layer "VCC3V3_SYS_L04_P013" (solid, remove dead copper, pour order 13): -963,-810 -824.74,-810 -824.74,-772.09 -963,-772.09
VCC5V0_USB on Bottom Layer "VCC5V0_USB_L04_P021" (solid, remove dead copper, pour order 21): -1925,-955 -1905,-935 -1345,-935 -1340,-940 -1340,-985 -1390,-1035 -1920,-1035 -1925,-1030
GND on Bottom Layer "GND_L04_P027" (solid, remove dead copper, pour order 27): -2008.09,-1417.22 ccw(c-1968.72,-1417.22) -1968.72,-1456.59 -39.59,-1456.59 -39.59,-1456.9 ccw(c-39.59,-1417.53) -0.22,-1417.53 -0.22,-39.57 ccw(c-39.59,-39.58) -39.59,-0.2 -1968.72,-0.2 ccw(c-1968.72,-39.58) -2008.09,-39.57
VUSB on Bottom Layer "VUSB_L04_P018" (solid, remove dead copper, pour order 18): -1795,-814.4 -1795,-903 -1732.59,-903 -1732.59,-814.4
VCCIN_SYS on Bottom Layer "Bottom Layer-VIN" (solid, remove dead copper, pour order 11): -1356.83,-430.4 -1123.73,-430.4 -1123.73,-370.4 -1356.83,-370.4
GND on GND "GND_L02_P022" (solid, remove dead copper, pour order 22): -2008.09,-1417.22 ccw(c-1968.72,-1417.22) -1968.72,-1456.59 -39.59,-1456.59 -39.59,-1456.9 ccw(c-39.59,-1417.53) -0.22,-1417.53 -0.22,-39.57 ccw(c-39.59,-39.58) -39.59,-0.2 -1968.72,-0.2 ccw(c-1968.72,-39.58) -2008.09,-39.57
VCC3V3_SYS on Power "VCC3V3_SYS_L03_P024" (solid, remove dead copper, pour order 24): -397.2,-468.2 -553.2,-468.2 -772.11,-687.11 -851.57,-687.11 -934.73,-770.27 -934.73,-810 -919.01,-825.72 -773.93,-825.72 -745.51,-854.14 -745.51,-1005.51 -798.26,-1058.26 -1068.11,-1058.26 -1118.87,-1007.5 -1192.5,-1007.5 -1508,-1323 -1508,-1350 -505,-1350 -505,-960 -465,-920 -465,-590 -385,-510 -385,-480.4
GND on Power "GND_L03_P041" (solid, remove dead copper, pour order 41): -2008.09,-1417.22 ccw(c-1968.72,-1417.22) -1968.72,-1456.59 -39.59,-1456.59 -39.59,-1456.9 ccw(c-39.59,-1417.53) -0.22,-1417.53 -0.22,-39.57 ccw(c-39.59,-39.58) -39.59,-0.2 -1968.72,-0.2 ccw(c-1968.72,-39.58) -2008.09,-39.57
VCC5V0_SYS on Power "VCC5V0_SYS_L03_P023" (solid, remove dead copper, pour order 23): -745,-395 -745,-509.96 -1225.33,-990.37 -1225.33,-1220 -1395,-1220 -1395,-747.93 -1042.07,-395

## Other copper
Top Layer:
  pour cut-out: -959.1,-150.3 -959.65,-149.76 -1015,-149.76 -1015,-97.03 -976.17,-58.2 -766.8,-58.2 -730,-95 -730,-149.76 -785,-149.76 -785,-253.08 -730,-253.08 -730,-315 -760.6,-345.6 -984.4,-345.6 -1015,-315 -1015,-253.08 -958.45,-253.08
Multi-Layer:
  pour cut-out: -286.83,-1456.9 -286.83,-541.15 13.17,-541.15 13.17,-1456.9

## Silkscreen, mask and mechanical layers (free items; w line width, h text height)
Top Overlay:
  drawing of 31 lines, arcs and shapes, not listed
  text "BOOT0" at -588.48,-332.8 h40
  text "RST" at -419,-332.8 h40
  text "3xM3" at -304.99,-339.67 h60
  text "OUTSIDE_Signal" at -1399.36,-1192.54 h60
  text "Sensor" at -1631.75,-1416.34 h60
  text "2.4G WiFi" at -732.9,-1452.57 h60
Bottom Overlay:
  text "[SFATC] ESP12_DHTxx" at -354.94,-153.94 h80
  text "© 2023 Sandman6z / Designed by Sandman Zhang / v3.1, 2024.08.11" at -349.94,-386.23 h60
  text "5V0" at -1264.21,-1127.64 h40
  text "3V3" at -989.73,-1127.64 h40
Mechanical 1:
  lines w10: -2008.09,-1417.53 -2008.09,-39.58 cw(c-1968.72,-39.58) -1968.72,-0.21 -39.59,-0.2 cw(c-39.59,-39.58) -0.22,-39.57 -0.22,-1417.53 cw(c-39.59,-1417.53) -39.59,-1456.9 ; -2008.09,-1417.22 ccw(c-1968.72,-1417.22) -1968.72,-1456.59 -39.59,-1456.59

## Text inside footprints (layer, text, board x,y; h text height)
CE1: Top Overlay "+" at -1229.97,-371.77 h39.37 r90; Top Overlay "-" at -1229.97,-238.03 h39.37 r180